# Altium PCB SmartHub Carrier.PcbDoc (part 4 of 5)
Units mm, origin at the board's own origin, x right, y up, seen from the top; angles counter-clockwise.
Board outline 120 x 130 mm, 8 copper layers (Top Layer, Layer 2, Layer 3, Layer 4, Layer 5, Layer 6, Layer 7, Bottom Layer), stack 1.479 mm thick; 460 components, 376 nets, 1826 pads, 565 vias.
Unrouted connection lines stored in the file: 350.
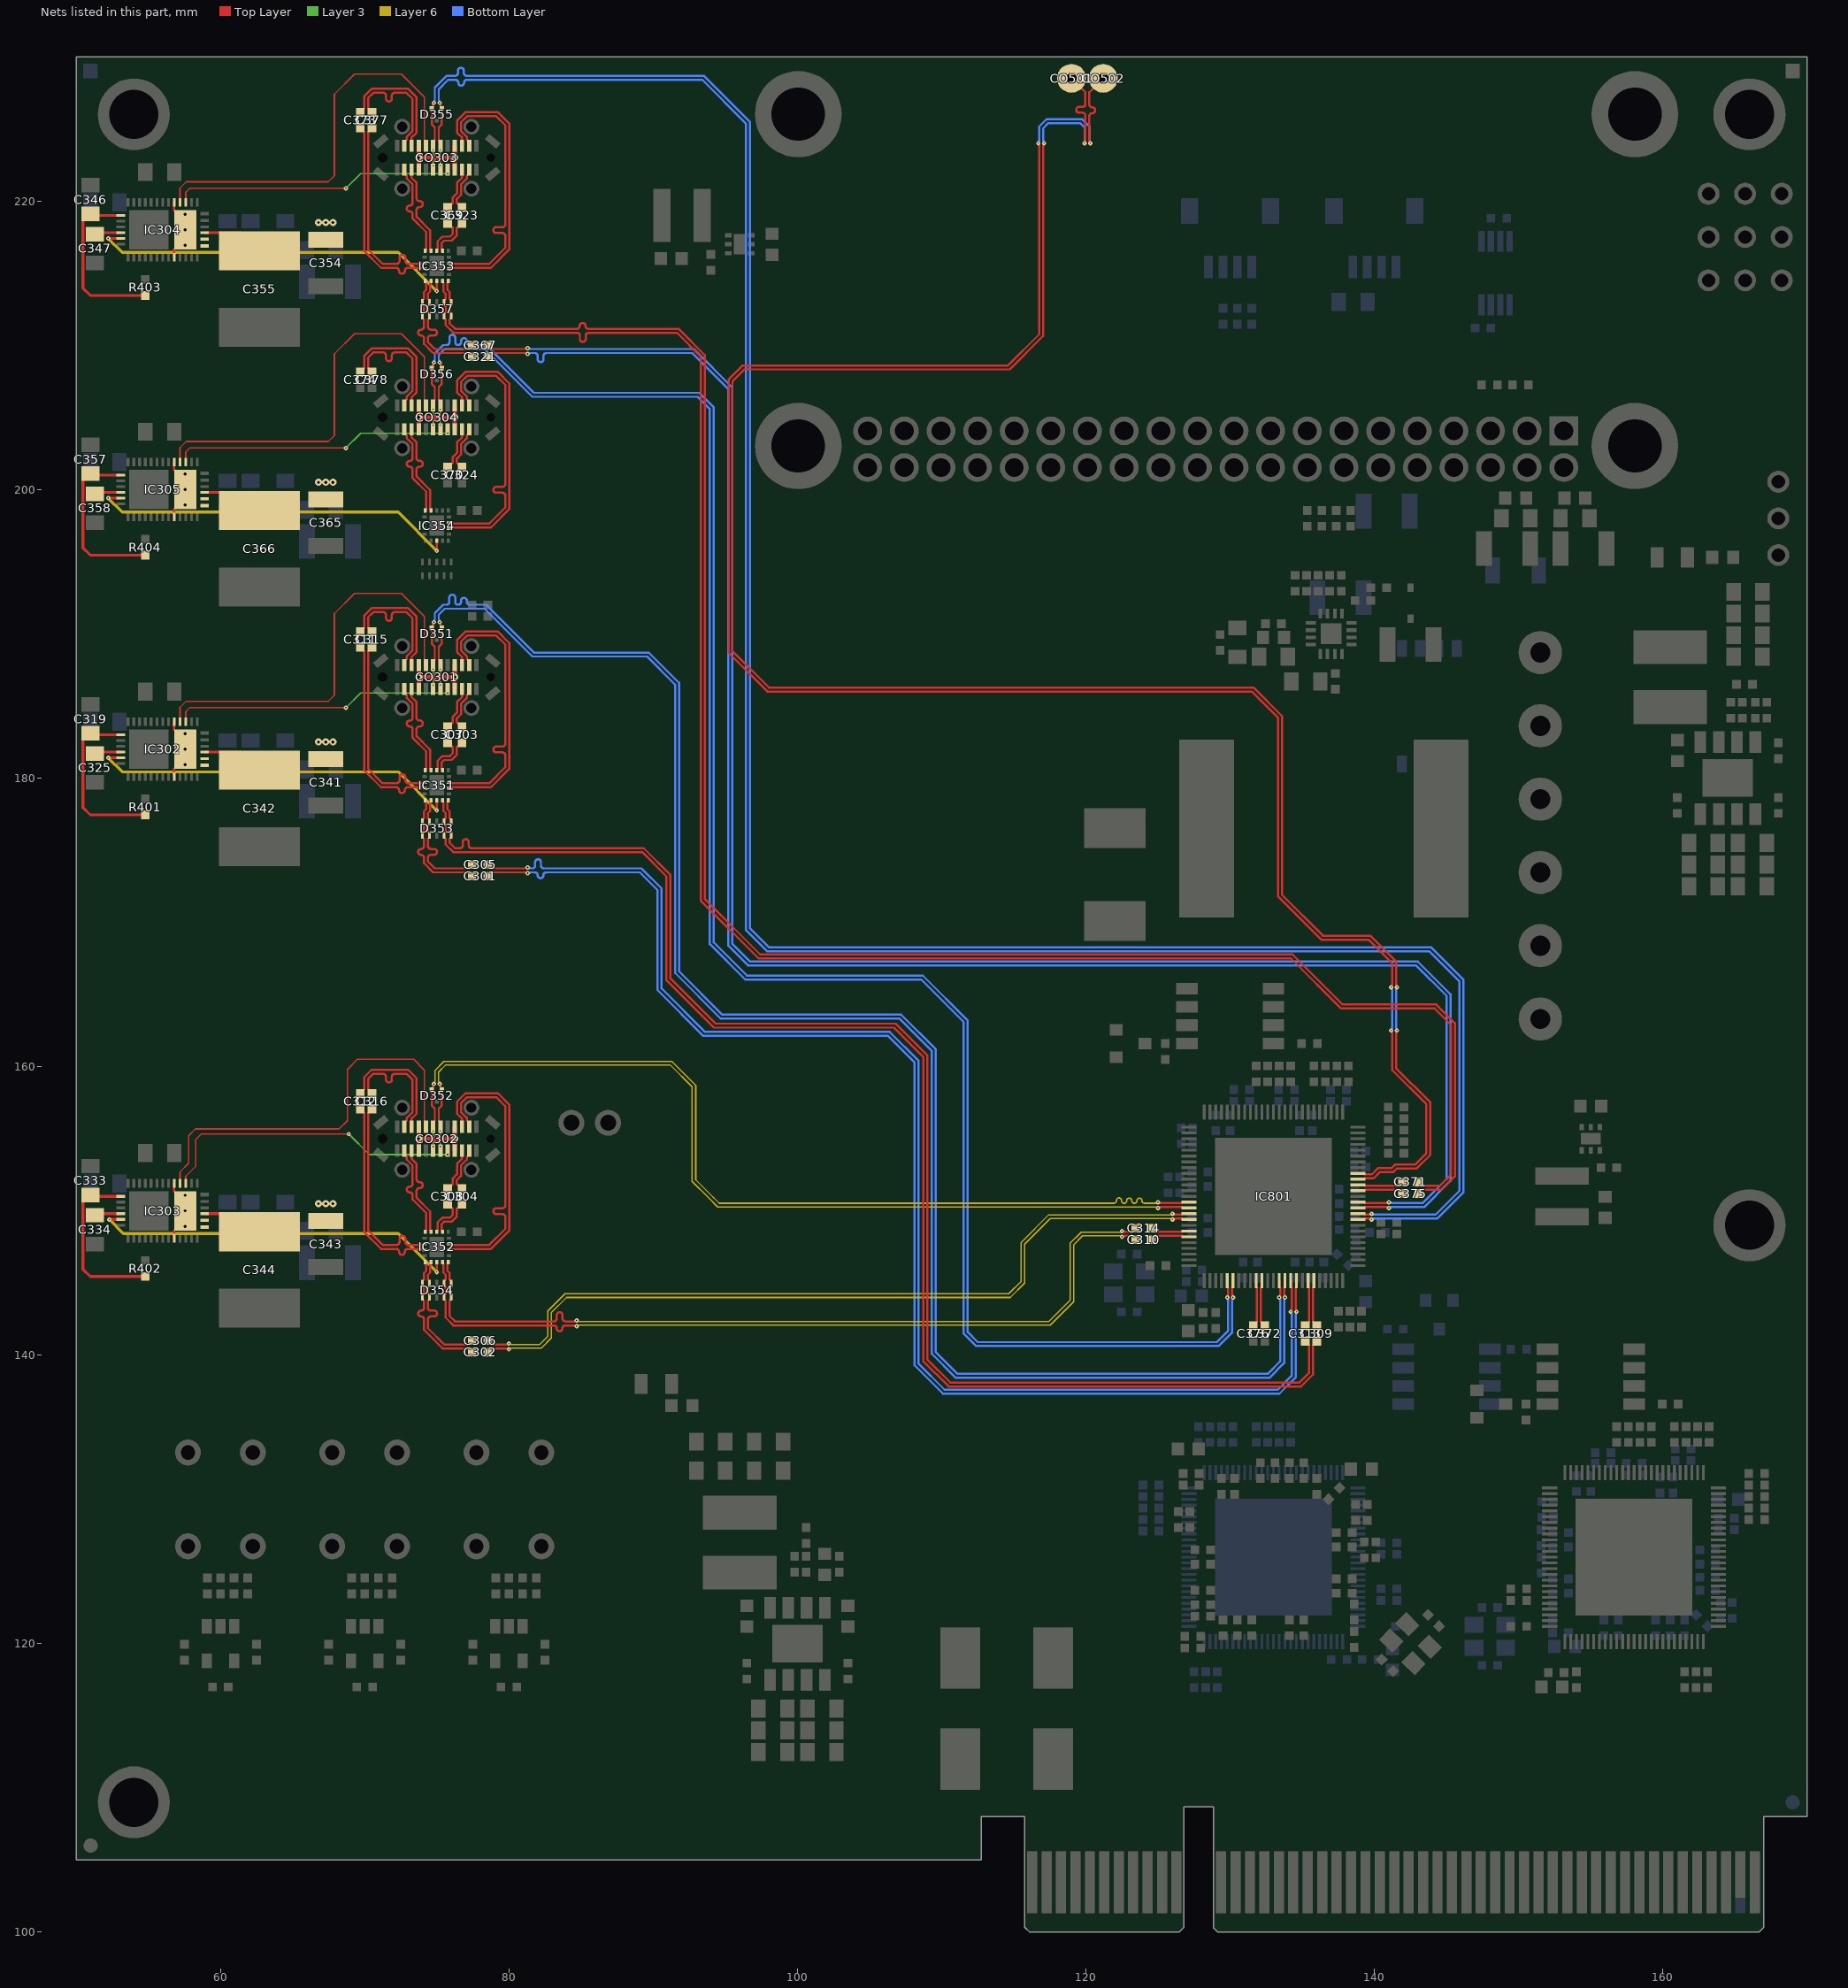
[diagram p10: the nets of this part, all layers, seen from the top]

## Via types
v1: diameter 0.3, hole 0.1, Top Layer to Bottom Layer, 235 vias
v2: diameter 0.5, hole 0.2, Top Layer to Bottom Layer, 115 vias
v3: diameter 0.6, hole 0.33, Top Layer to Bottom Layer, 108 vias
v4: diameter 1, hole 0.3, Top Layer to Bottom Layer, 40 vias
v5: diameter 0.45, hole 0.2, Top Layer to Bottom Layer, 40 vias
v6: diameter 1, hole 0.35, Top Layer to Bottom Layer, 27 vias

## Nets (pads, with @x,y where several pads share a name; then routed paths per layer and width w, separated by ;. In a path a pad name is that pad's centre, name@x,y a point inside that pad or via, vN(x,y) a via of type N, cw(c..) or ccw(c..) an arc to the next point about the centre after c; other vN are vias at no path point) (continued)
USB_Zero_N: CO502.1 IC801.42 | length 148.5
  Top Layer w0.15: v1(116.7,224) 116.729,223.971 116.729,223.871 116.762,223.837 116.762,210.762 114.6,208.6 96.211,208.6 95.225,207.614 95.225,188.686 97.911,186 131.5,186 133.325,184.175 133.325,171.786 136.311,168.8 139.6,168.8 141.225,167.175 141.225,165.663 141.191,165.629 141.191,165.529 v1(141.163,165.5) ; v1(120.3,224) 120.271,224.029 120.271,224.129 120.238,224.163 120.238,225.4 120.238,225.879 cw(c120.44,225.879) 120.44,226.081 ccw(c120.44,226.283) 120.642,226.283 ccw(c120.44,226.283) 120.44,226.485 cw(c120.44,226.687) 120.238,226.687 120.238,227.2 120.238,227.538 CO502.1@121.2,228.5 ; IC801.42@138.85,152.6 139.275,152.6 139.338,152.538 139.838,152.538 140.275,152.975 141.2,152.975 141.425,153.2 142.8,153.2 143.6,154 143.6,157.4 141.225,159.775 141.225,162.337 141.191,162.371 141.191,162.471 v1(141.163,162.5)
  Bottom Layer w0.15: v1(116.7,224) 116.729,224.029 116.729,224.129 116.762,224.163 116.762,225.151 117.286,225.675 119.714,225.675 120.238,225.151 120.238,224.163 120.271,224.129 120.271,224.029 v1(120.3,224) ; v1(141.163,162.5) 141.191,162.529 141.191,162.629 141.225,162.663 141.225,165.337 141.191,165.371 141.191,165.471 v1(141.163,165.5)
USB_Zero_P: CO501.1 IC801.41 | length 148.5
  Top Layer w0.15: v1(117.1,224) 117.071,223.971 117.071,223.871 117.037,223.837 117.037,210.649 114.714,208.325 96.325,208.325 95.5,207.5 95.5,188.8 98.025,186.275 131.614,186.275 133.6,184.289 133.6,171.9 136.425,169.075 139.714,169.075 141.5,167.289 141.5,165.663 141.534,165.629 141.534,165.529 v1(141.563,165.5) ; CO501.1@119,228.5 119.963,227.538 119.963,227.2 119.963,226.721 cw(c119.761,226.721) 119.761,226.519 119.533,226.519 ccw(c119.533,226.317) 119.331,226.317 ccw(c119.533,226.317) 119.533,226.115 119.761,226.115 cw(c119.761,225.913) 119.963,225.913 119.963,225.487 119.963,224.163 119.929,224.129 119.929,224.029 v1(119.9,224) ; IC801.41@138.85,152.2 139.275,152.2 139.338,152.262 139.951,152.262 140.389,152.7 141.314,152.7 141.539,152.925 142.914,152.925 143.875,153.886 143.875,157.514 141.5,159.889 141.5,162.337 141.534,162.371 141.534,162.471 v1(141.563,162.5)
  Bottom Layer w0.15: v1(117.1,224) 117.071,224.029 117.071,224.129 117.037,224.163 117.037,225.038 117.4,225.4 119.6,225.4 119.963,225.038 119.963,224.163 119.929,224.129 119.929,224.029 v1(119.9,224) ; v1(141.563,162.5) 141.534,162.529 141.534,162.629 141.5,162.663 141.5,165.337 141.534,165.371 141.534,165.471 v1(141.563,165.5)
USBF0_5V: C341.1 C342.1 CO301.4 CO301.9 CO301.24 CO301.29 IC302.20 IC302.21 IC302.22 | length 10.1
  Top Layer w0.2: IC302.22@58.9,181.8 61.45,181.8 C342.1@62.7,180.55
  Top Layer w0.3: CO301.9@73.75,186.17 v2(73.75,187) ; CO301.24@73.75,187.83 v2(73.75,187) ; CO301.4@76.25,186.17 v2(76.25,187) ; CO301.29@76.25,187.83 v2(76.25,187) ; v2(73.75,187) v2(76.25,187)
  other v2: 66.8,182.5 67.3,182.5 67.8,182.5
USBF0_CC1: CO301.5 IC302.28 | length 19.4
  Top Layer w0.1: IC302.28@57.6,183.9 57.6,184.6 57.875,184.875 v1(68.7,184.875)
  Layer 3 w0.1: v1(68.7,184.875) 69.725,185.9 v1(75.75,185.9)
USBF0_CC2: CO301.25 IC302.29 | length 28.6
  Top Layer w0.1: IC302.29@57.2,183.9 57.2,184.9 57.625,185.325 67.475,185.325 67.9,185.75 67.9,191.4 69.3,192.8 72.55,192.8 74.15,191.2 74.15,187.93 CO301.25@74.25,187.83
USBF0_DRAIN: IC302.15 IC302.30 IC302.40 | length 2.8
  Top Layer w0.15: IC302.15@56.8,180.1 56.8,180.645 57.08,180.925 v5(57.56,180.925) ; IC302.30@56.8,183.9 56.8,183.355 57.08,183.075 v5(57.56,183.075)
  other v5: 57.56,182
USBF0_LDO_1V5: C325.1 IC302.4 | length 1.8
  Top Layer w0.2: C325.1@51.3,181.7 51.4,181.8 IC302.4@53.1,181.8
USBF0_LDO_3V3: C319.1 IC302.1 R401.1 | length 12.1
  Top Layer w0.2: IC302.1@53.1,183 51.1,183 C319.1@51,183.1 50.875,183.1 50.475,182.7 50.475,177.95 50.975,177.45 R401.1@54.8,177.45
USBF0_N: CO301.7 CO301.27 D351.1 IC801.15 | length 116.1
  Top Layer w0.15: v1(75.2,190.8) 75.2,190.759 75.275,190.684 75.275,190.5 D351.1@75.35,190.425 75.35,189.313 75.138,189.1 75.138,188.392 75.137,188.218 75.25,188.105 CO301.27@75.25,187.83 ; v1(133.8,144) 133.771,144.029 133.771,144.129 133.738,144.163 133.738,144.662 133.8,144.725 IC801.15@133.8,145.15
  Layer 6 w0.1: v1(74.75,186.45) 74.75,186.75 75.25,187.25 v1(75.25,187.55)
  Bottom Layer w0.15: v1(75.2,190.8) 75.171,190.829 75.171,190.929 75.138,190.963 75.138,191.324 75.551,191.738 78.313,191.738 81.625,188.425 89.575,188.425 91.525,186.475 91.525,166.486 94.686,163.325 107.086,163.325 109.325,161.086 109.325,140.086 110.986,138.425 132.714,138.425 133.738,139.449 133.738,140.149 133.738,143.837 133.771,143.871 133.771,143.971 v1(133.8,144)
USBF0_P: CO301.6 CO301.26 D351.2 IC801.14 | length 117.8
  Top Layer w0.15: CO301.26@74.75,187.83 74.75,188.105 74.862,188.218 74.862,188.506 74.862,189.1 74.65,189.313 D351.2@74.65,190.425 74.725,190.5 74.725,190.684 74.8,190.759 v1(74.8,190.8) ; v1(133.4,144) 133.429,144.029 133.429,144.129 133.463,144.163 133.463,144.662 133.4,144.725 IC801.14@133.4,145.15
  Layer 3 w0.1: v1(74.75,187.55) 74.75,187.25 75.25,186.75 v1(75.25,186.45)
  Bottom Layer w0.15: v1(74.8,190.8) 74.829,190.829 74.829,190.929 74.862,190.963 74.862,191.438 75.438,192.013 75.594,192.013 75.669,192.013 ccw(c75.669,192.215) 75.871,192.215 75.871,192.509 cw(c76.073,192.509) 76.073,192.711 cw(c76.073,192.509) 76.275,192.509 76.275,192.215 ccw(c76.477,192.215) 76.477,192.013 ccw(c76.477,192.215) 76.679,192.215 76.679,192.295 cw(c76.881,192.295) 76.881,192.497 cw(c76.881,192.295) 77.083,192.295 77.083,192.215 ccw(c77.285,192.215) 77.285,192.013 77.988,192.013 78.426,192.013 81.739,188.7 89.689,188.7 91.8,186.589 91.8,166.6 94.8,163.6 107.2,163.6 109.6,161.2 109.6,140.2 111.1,138.7 132.6,138.7 133.463,139.562 133.463,143.837 133.429,143.871 133.429,143.971 v1(133.4,144)
USBF0_RX1_N: CO301.30 IC351.2 | length 19.5
  Top Layer w0.15: IC351.2@75.85,179.3 75.9,179.3 75.962,179.363 78.751,179.363 80.025,180.636 80.025,189.364 79.239,190.15 76.986,190.15 76.4,189.564 76.4,188.736 76.753,188.383 76.753,187.833 CO301.30@76.75,187.83
USBF0_RX1_P: CO301.31 IC351.3 | length 19.6
  Top Layer w0.15: IC351.3@75.85,179.7 75.9,179.7 75.962,179.638 78.637,179.638 79.75,180.75 79.75,181.5 79.75,181.575 ccw(c79.548,181.575) 79.548,181.777 79.123,181.777 cw(c79.123,181.979) 78.921,181.979 cw(c79.123,181.979) 79.123,182.181 79.548,182.181 ccw(c79.548,182.383) 79.75,182.383 79.75,182.7 79.75,189.25 79.125,189.875 77.1,189.875 76.675,189.45 76.675,188.85 77.075,188.45 77.075,188.28 77.25,188.105 CO301.31@77.25,187.83
USBF0_RX2_N: CO301.10 IC351.8 | length 6.7
  Top Layer w0.15: CO301.10@73.25,186.17 73.247,186.167 73.247,185.617 73.6,185.264 73.6,184.497 73.6,184.187 ccw(c73.802,184.187) 73.802,183.985 73.83,183.985 cw(c73.83,183.783) 74.032,183.783 cw(c73.83,183.783) 73.83,183.581 73.802,183.581 ccw(c73.802,183.379) 73.6,183.379 73.6,182.9 74.538,181.963 74.538,180.662 74.6,180.6 IC351.8@74.6,180.55
USBF0_RX2_P: CO301.11 IC351.9 | length 6.7
  Top Layer w0.15: CO301.11@72.75,186.17 72.75,185.895 72.925,185.72 72.925,185.55 73.325,185.15 73.325,184.7 73.325,184.183 cw(c73.123,184.183) 73.123,183.981 ccw(c73.123,183.779) 72.921,183.779 ccw(c73.123,183.779) 73.123,183.577 cw(c73.123,183.375) 73.325,183.375 73.325,183.3 73.325,182.786 74.263,181.849 74.263,180.663 74.2,180.6 IC351.9@74.2,180.55
USBF0_RX_N: C309.1 IC801.20 | length 3.2
  Top Layer w0.15: IC801.20@135.8,145.15 135.8,144.725 135.738,144.662 135.738,142.312 C309.1@136,142.05
USBF0_RX_P: C313.1 IC801.19 | length 3.2
  Top Layer w0.15: C313.1@135.2,142.05 135.463,142.312 135.463,144.662 135.4,144.725 IC801.19@135.4,145.15
USBF0_SEL: IC302.5 IC351.16 | length 25.9
  Top Layer w0.127: v1(75,177.75) IC351.16@75,178.45
  Top Layer w0.2: v1(52.225,181.4) IC302.5@53.1,181.4
  Layer 6 w0.2: v1(52.225,181.4) 53.195,180.43 72.32,180.43 v1(75,177.75)
USBF0_TX1_N: C307.2 CO301.3 | length 3.1
  Top Layer w0.15: C307.2@75.75,183.55 75.975,183.775 76.025,183.775 76.112,183.863 76.112,184.253 76.4,184.54 76.4,185.264 76.753,185.617 76.753,186.167 CO301.3@76.75,186.17
USBF0_TX1_P: C303.2 CO301.2 | length 3.2
  Top Layer w0.15: C303.2@76.75,183.55 76.525,183.775 76.475,183.775 76.387,183.863 76.387,184.139 76.675,184.426 76.675,185.15 77.075,185.55 77.075,185.72 77.25,185.895 CO301.2@77.25,186.17
USBF0_TX2_N: C311.2 CO301.23 | length 8.8
  Top Layer w0.15: C311.2@69.7,190.15 69.963,190.412 69.963,191.251 70.486,191.775 73.014,191.775 73.6,191.189 73.6,188.736 73.247,188.383 73.247,187.833 CO301.23@73.25,187.83
USBF0_TX2_P: C315.2 CO301.22 | length 8.8
  Top Layer w0.15: C315.2@70.5,190.15 70.238,190.412 70.238,191.138 70.6,191.5 70.8,191.5 71.279,191.5 cw(c71.279,191.298) 71.481,191.298 71.481,191.101 ccw(c71.683,191.101) 71.683,190.899 ccw(c71.683,191.101) 71.885,191.101 71.885,191.298 cw(c72.087,191.298) 72.087,191.5 72.7,191.5 72.9,191.5 73.325,191.075 73.325,188.85 72.925,188.45 72.925,188.28 72.75,188.105 CO301.22@72.75,187.83
USBF0_TX_N: C301.1 IC801.17 | length 95.2
  Top Layer w0.15: C301.1@78.55,173.2 78.812,173.462 81.137,173.462 81.171,173.429 81.271,173.429 v1(81.3,173.4) ; v1(134.6,143) 134.571,143.029 134.571,143.129 134.538,143.163 134.538,144.662 134.6,144.725 IC801.17@134.6,145.15
  Bottom Layer w0.15: v1(81.3,173.4) 81.308,173.408 81.329,173.429 81.429,173.429 81.463,173.462 81.787,173.462 cw(c81.787,173.26) 81.989,173.26 ccw(c82.191,173.26) 82.191,173.058 ccw(c82.191,173.26) 82.393,173.26 cw(c82.595,173.26) 82.595,173.462 83.085,173.462 89.075,173.462 90.3,172.237 90.3,165.311 93.486,162.125 106.286,162.125 108.125,160.286 108.125,139.286 110.086,137.325 133.414,137.325 134.538,138.449 134.538,142.837 134.571,142.871 134.571,142.971 v1(134.6,143)
USBF0_TX_P: C305.1 IC801.16 | length 95.2
  Top Layer w0.15: C305.1@78.55,174 78.812,173.737 81.137,173.737 81.171,173.771 81.271,173.771 v1(81.3,173.8) ; v1(134.2,143) 134.229,143.029 134.229,143.129 134.263,143.163 134.263,144.662 134.2,144.725 IC801.16@134.2,145.15
  Bottom Layer w0.15: v1(81.3,173.8) 81.329,173.771 81.429,173.771 81.463,173.737 81.541,173.737 81.616,173.737 ccw(c81.616,173.939) 81.818,173.939 81.818,174.168 cw(c82.02,174.168) 82.02,174.37 cw(c82.02,174.168) 82.222,174.168 82.222,173.939 ccw(c82.424,173.939) 82.424,173.737 82.884,173.737 89.188,173.737 90.575,172.351 90.575,165.425 93.6,162.4 106.4,162.4 108.4,160.4 108.4,139.4 110.2,137.6 133.3,137.6 134.263,138.563 134.263,142.837 134.229,142.871 134.229,142.971 v1(134.2,143)
USBF0_XRX_N: C309.2 D353.2 D353.9 IC351.17 | length 98.3
  Top Layer w0.15: IC351.17@75.4,178.45 75.4,178.4 75.463,178.337 75.463,177.723 75.613,177.573 75.613,177.225 75.5,177.113 75.5,176.838 75.613,176.725 75.613,176.275 75.5,176.163 D353.9@75.5,176.025 75.5,175.887 75.612,175.775 75.612,175.399 76.149,174.862 89.238,174.862 90.925,173.175 90.925,165.986 94.211,162.7 106.7,162.7 108.725,160.675 108.725,139.586 110.486,137.825 134.914,137.825 135.738,138.649 135.738,140.688 C309.2@136,140.95
USBF0_XRX_P: C313.2 D353.1 D353.10 IC351.18 | length 98.3
  Top Layer w0.15: IC351.18@75.8,178.45 75.8,178.4 75.738,178.337 75.738,177.837 75.888,177.687 75.888,177.225 76,177.113 D353.1@76,176.975 76,176.838 75.888,176.725 75.888,176.275 76,176.163 D353.10@76,176.025 76,175.887 75.887,175.775 75.887,175.512 76.262,175.137 76.3,175.137 76.607,175.137 ccw(c76.607,175.339) 76.809,175.339 76.809,175.565 cw(c77.011,175.565) 77.011,175.767 cw(c77.011,175.565) 77.213,175.565 77.213,175.339 ccw(c77.415,175.339) 77.415,175.137 77.894,175.137 89.351,175.137 91.2,173.289 91.2,166.1 94.325,162.975 106.814,162.975 109,160.789 109,139.7 110.6,138.1 134.8,138.1 135.463,138.763 135.463,140.687 C313.2@135.2,140.95
USBF0_XTX1_N: C307.1 IC351.7 | length 2.8
  Top Layer w0.15: IC351.7@75,180.55 75,180.6 75.062,180.662 75.062,181.201 75.386,181.525 75.912,181.525 76.112,181.725 76.112,182.137 76.025,182.225 75.975,182.225 C307.1@75.75,182.45
USBF0_XTX1_P: C303.1 IC351.6 | length 2.8
  Top Layer w0.15: IC351.6@75.4,180.55 75.4,180.6 75.337,180.662 75.337,181.087 75.5,181.25 76.026,181.25 76.387,181.611 76.387,182.137 76.475,182.225 76.525,182.225 C303.1@76.75,182.45
USBF0_XTX2_N: C311.1 IC351.12 | length 13.8
  Top Layer w0.15: C311.1@69.7,189.05 69.962,188.788 69.962,180.538 71.138,179.363 71.7,179.363 72.179,179.363 cw(c72.179,179.161) 72.381,179.161 ccw(c72.583,179.16) 72.583,178.958 ccw(c72.583,179.16) 72.785,179.16 cw(c72.987,179.161) 72.987,179.363 73.5,179.363 74.037,179.363 74.1,179.3 IC351.12@74.15,179.3
USBF0_XTX2_P: C315.1 IC351.11 | length 13.8
  Top Layer w0.15: C315.1@70.5,189.05 70.237,188.787 70.237,180.651 71.251,179.638 71.9,179.638 72.213,179.638 ccw(c72.213,179.84) 72.415,179.84 72.415,180.067 cw(c72.617,180.067) 72.617,180.269 cw(c72.617,180.067) 72.819,180.067 72.819,179.84 ccw(c73.021,179.84) 73.021,179.638 73.5,179.638 74.038,179.638 74.1,179.7 IC351.11@74.15,179.7
USBF0_XTX_N: C301.2 D353.5 D353.6 IC351.14 | length 8.8
  Top Layer w0.15: IC351.14@74.2,178.45 74.2,178.4 74.262,178.337 74.262,177.837 74.112,177.687 74.112,177.225 74,177.113 74,176.838 74.112,176.725 74.112,176.275 74,176.163 D353.6@74,176.025 74,175.887 74.112,175.775 74.112,175.6 74.112,175.283 cw(c73.91,175.283) 73.91,175.081 ccw(c73.91,174.879) 73.708,174.879 ccw(c73.91,174.879) 73.91,174.677 cw(c73.91,174.475) 74.112,174.475 74.112,174.4 74.112,174.099 74.749,173.462 77.188,173.462 C301.2@77.45,173.2
USBF0_XTX_P: C305.2 D353.4 D353.7 IC351.15 | length 8.8
  Top Layer w0.15: IC351.15@74.6,178.45 74.6,178.4 74.537,178.337 74.537,177.723 74.387,177.573 74.387,177.225 74.5,177.113 74.5,176.838 74.387,176.725 74.387,176.275 74.5,176.163 D353.7@74.5,176.025 74.5,175.887 74.387,175.775 74.387,175.6 74.387,175.286 ccw(c74.589,175.286) 74.589,175.084 74.817,175.084 cw(c74.817,174.882) 75.019,174.882 cw(c74.817,174.882) 74.817,174.68 74.589,174.68 ccw(c74.589,174.478) 74.387,174.478 74.387,174.213 74.5,174.1 74.863,173.737 77.188,173.737 C305.2@77.45,174
USBF1_5V: C343.1 C344.1 CO302.4 CO302.9 CO302.24 CO302.29 IC303.20 IC303.21 IC303.22 | length 10.1
  Top Layer w0.2: IC303.22@58.9,149.8 61.45,149.8 C344.1@62.7,148.55
  Top Layer w0.3: CO302.9@73.75,154.17 v2(73.75,155) ; CO302.24@73.75,155.83 v2(73.75,155) ; CO302.4@76.25,154.17 v2(76.25,155) ; CO302.29@76.25,155.83 v2(76.25,155) ; v2(73.75,155) v2(76.25,155)
  other v2: 66.8,150.5 67.3,150.5 67.8,150.5
USBF1_CC1: CO302.5 IC303.28 | length 21.5
  Top Layer w0.1: IC303.28@57.6,151.9 57.6,152.4 58.3,153.1 58.3,154.95 58.675,155.325 v1(68.9,155.325)
  Layer 3 w0.1: v1(68.9,155.325) 70.325,153.9 v1(75.75,153.9)
USBF1_CC2: CO302.25 IC303.29 | length 28.4
  Top Layer w0.1: IC303.29@57.2,151.9 57.2,152.7 57.8,153.3 57.8,155.2 58.275,155.675 68.225,155.675 68.8,156.25 68.8,159.8 69.5,160.5 73.4,160.5 74.15,159.75 74.15,155.93 CO302.25@74.25,155.83
USBF1_DRAIN: IC303.15 IC303.30 IC303.40 | length 2.8
  Top Layer w0.15: IC303.15@56.8,148.1 56.8,148.645 57.08,148.925 v5(57.56,148.925) ; IC303.30@56.8,151.9 56.8,151.355 57.08,151.075 v5(57.56,151.075)
  other v5: 57.56,150
USBF1_LDO_1V5: C334.1 IC303.4 | length 1.8
  Top Layer w0.2: C334.1@51.3,149.7 51.4,149.8 IC303.4@53.1,149.8
USBF1_LDO_3V3: C333.1 IC303.1 R402.1 | length 12.1
  Top Layer w0.2: IC303.1@53.1,151 51.1,151 C333.1@51,151.1 50.875,151.1 50.475,150.7 50.475,145.95 50.975,145.45 R402.1@54.8,145.45
USBF1_N: CO302.7 CO302.27 D352.1 IC801.90 | length 65.5
  Top Layer w0.15: v1(75.2,158.8) 75.2,158.759 75.275,158.684 75.275,158.5 D352.1@75.35,158.425 75.35,157.312 75.138,157.1 75.138,156.392 75.137,156.217 75.25,156.105 CO302.27@75.25,155.83 ; v1(125,150.2) 125.029,150.229 125.129,150.229 125.163,150.262 126.663,150.262 126.725,150.2 IC801.90@127.15,150.2
  Layer 6 w0.1: v1(74.75,154.45) 74.75,154.75 75.25,155.25 v1(75.25,155.55) ; v1(75.2,158.8) 75.2,158.854 75.125,158.929 75.125,159.625 75.6,160.1 91.2,160.1 92.7,158.6 92.7,152.046 93.823,150.923 94.471,150.275 124.871,150.275 124.946,150.2 v1(125,150.2)
USBF1_P: CO302.6 CO302.26 D352.2 IC801.89 | length 67.2
  Top Layer w0.15: CO302.26@74.75,155.83 74.75,156.105 74.862,156.217 74.862,156.506 74.862,157.1 74.65,157.312 D352.2@74.65,158.425 74.725,158.5 74.725,158.684 74.8,158.759 v1(74.8,158.8) ; v1(125,150.6) 125.029,150.571 125.129,150.571 125.163,150.537 126.663,150.537 126.725,150.6 IC801.89@127.15,150.6
  Layer 3 w0.1: v1(74.75,155.55) 74.75,155.25 75.25,154.75 v1(75.25,154.45)
  Layer 6 w0.1: v1(74.8,158.8) 74.8,158.854 74.875,158.929 74.875,159.729 75.496,160.35 91.304,160.35 92.95,158.704 92.95,152.15 94.177,150.923 94.575,150.525 121.89,150.525 121.94,150.525 ccw(c121.94,150.702) 122.117,150.702 122.117,150.725 cw(c122.294,150.725) 122.471,150.725 122.471,150.702 ccw(c122.648,150.702) 122.825,150.702 cw(c123.002,150.702) 123.179,150.702 ccw(c123.356,150.702) 123.533,150.702 cw(c123.71,150.702) 123.887,150.702 ccw(c124.064,150.702) 124.064,150.525 124.3,150.525 124.871,150.525 124.946,150.6 v1(125,150.6)
USBF1_RX1_N: CO302.30 IC352.2 | length 19.5
  Top Layer w0.15: IC352.2@75.85,147.3 75.9,147.3 75.962,147.363 78.751,147.363 80.025,148.636 80.025,157.364 79.239,158.15 76.986,158.15 76.4,157.564 76.4,156.736 76.753,156.383 76.753,155.833 CO302.30@76.75,155.83
USBF1_RX1_P: CO302.31 IC352.3 | length 19.6
  Top Layer w0.15: IC352.3@75.85,147.7 75.9,147.7 75.962,147.638 78.637,147.638 79.75,148.75 79.75,149.5 79.75,149.575 ccw(c79.548,149.575) 79.548,149.777 79.123,149.777 cw(c79.123,149.979) 78.921,149.979 cw(c79.123,149.979) 79.123,150.181 79.548,150.181 ccw(c79.548,150.383) 79.75,150.383 79.75,150.7 79.75,157.25 79.125,157.875 77.1,157.875 76.675,157.45 76.675,156.85 77.075,156.45 77.075,156.28 77.25,156.105 CO302.31@77.25,155.83
USBF1_RX2_N: CO302.10 IC352.8 | length 6.7
  Top Layer w0.15: CO302.10@73.25,154.17 73.247,154.167 73.247,153.617 73.6,153.264 73.6,153.1 73.6,152.187 ccw(c73.802,152.187) 73.802,151.985 73.83,151.985 cw(c73.83,151.783) 74.032,151.783 cw(c73.83,151.783) 73.83,151.581 73.802,151.581 ccw(c73.802,151.379) 73.6,151.379 73.6,150.9 74.538,149.963 74.538,148.662 74.6,148.6 IC352.8@74.6,148.55
USBF1_RX2_P: CO302.11 IC352.9 | length 6.7
  Top Layer w0.15: CO302.11@72.75,154.17 72.75,153.895 72.925,153.72 72.925,153.55 73.325,153.15 73.325,153 73.325,151.883 cw(c73.123,151.883) 73.123,151.681 ccw(c73.123,151.479) 72.921,151.479 ccw(c73.123,151.479) 73.123,151.277 cw(c73.123,151.075) 73.325,151.075 73.325,151 73.325,150.786 74.263,149.849 74.263,148.663 74.2,148.6 IC352.9@74.2,148.55
USBF1_RX_N: C310.1 IC801.95 | length 2.7
  Top Layer w0.15: C310.1@124.55,148 124.812,148.262 125.826,148.262 126.663,148.263 126.725,148.2 IC801.95@127.15,148.2
USBF1_RX_P: C314.1 IC801.94 | length 2.7
  Top Layer w0.15: C314.1@124.55,148.8 124.812,148.537 125.712,148.537 126.663,148.538 126.725,148.6 IC801.94@127.15,148.6
USBF1_SEL: IC303.5 IC352.16 | length 25.7
  Top Layer w0.127: v1(75,145.75) IC352.16@75,146.45
  Top Layer w0.2: v1(52.3,149.4) IC303.5@53.1,149.4
  Layer 6 w0.2: v1(52.3,149.4) 53.27,148.43 72.32,148.43 v1(75,145.75)
USBF1_TX1_N: C308.2 CO302.3 | length 3.1
  Top Layer w0.15: C308.2@75.75,151.55 75.975,151.775 76.025,151.775 76.112,151.863 76.112,152.253 76.4,152.54 76.4,153.264 76.753,153.617 76.753,154.167 CO302.3@76.75,154.17
USBF1_TX1_P: C304.2 CO302.2 | length 3.2
  Top Layer w0.15: C304.2@76.75,151.55 76.525,151.775 76.475,151.775 76.387,151.863 76.387,152.139 76.675,152.426 76.675,153.15 77.075,153.55 77.075,153.72 77.25,153.895 CO302.2@77.25,154.17
USBF1_TX2_N: C312.2 CO302.23 | length 8.8
  Top Layer w0.15: C312.2@69.7,158.15 69.963,158.413 69.963,159.251 70.486,159.775 73.014,159.775 73.6,159.189 73.6,156.736 73.247,156.383 73.247,155.833 CO302.23@73.25,155.83
USBF1_TX2_P: C316.2 CO302.22 | length 8.8
  Top Layer w0.15: C316.2@70.5,158.15 70.238,158.412 70.238,159.138 70.6,159.5 70.8,159.5 71.279,159.5 cw(c71.279,159.298) 71.481,159.298 71.481,159.101 ccw(c71.683,159.101) 71.683,158.899 ccw(c71.683,159.101) 71.885,159.101 71.885,159.298 cw(c72.087,159.298) 72.087,159.5 72.7,159.5 72.9,159.5 73.325,159.075 73.325,156.85 72.925,156.45 72.925,156.28 72.75,156.105 CO302.22@72.75,155.83
USBF1_TX_N: C302.1 IC801.92 | length 55.2
  Top Layer w0.15: C302.1@78.55,140.2 78.812,140.462 79.251,140.462 79.837,140.463 79.871,140.429 79.971,140.429 v1(80,140.4) ; v1(126,149.4) 126.029,149.429 126.129,149.429 126.163,149.462 126.663,149.462 126.725,149.4 IC801.92@127.15,149.4
  Layer 6 w0.1: v1(80,140.4) 80.054,140.4 80.129,140.475 82.229,140.475 82.95,141.196 82.95,142.95 84,144 114.754,144 115.75,144.996 115.75,147.696 117.529,149.475 125.871,149.475 125.946,149.4 v1(126,149.4)
USBF1_TX_P: C306.1 IC801.91 | length 55.2
  Top Layer w0.15: C306.1@78.55,141 78.812,140.737 79.137,140.737 79.837,140.738 79.871,140.771 79.971,140.771 v1(80,140.8) ; v1(126,149.8) 126.029,149.771 126.129,149.771 126.163,149.737 126.662,149.737 126.725,149.8 IC801.91@127.15,149.8
  Layer 6 w0.1: v1(80,140.8) 80.054,140.8 80.129,140.725 82.125,140.725 82.7,141.3 82.7,143.054 83.896,144.25 114.65,144.25 115.5,145.1 115.5,147.8 117.425,149.725 125.871,149.725 125.946,149.8 v1(126,149.8)
USBF1_XRX_N: C310.2 D354.2 D354.9 IC352.17 | length 57.8
  Top Layer w0.15: IC352.17@75.4,146.45 75.4,146.4 75.463,146.337 75.463,145.723 75.613,145.573 75.613,145.225 75.5,145.113 75.5,144.838 75.613,144.725 75.613,144.275 75.5,144.163 D354.9@75.5,144.025 75.5,143.887 75.612,143.775 75.612,142.599 76.149,142.062 82.5,142.062 83.108,142.062 cw(c83.108,141.861) 83.31,141.861 ccw(c83.512,141.86) 83.512,141.658 ccw(c83.512,141.86) 83.714,141.86 cw(c83.916,141.861) 83.916,142.062 83.991,142.062 84.537,142.062 84.571,142.029 84.671,142.029 v1(84.7,142) ; v1(122.5,148.2) 122.529,148.229 122.629,148.229 122.663,148.263 123.187,148.263 C310.2@123.45,148
  Layer 6 w0.1: v1(84.7,142) 84.754,142 84.829,142.075 117.529,142.075 119.15,143.696 119.15,147.65 119.775,148.275 122.371,148.275 122.446,148.2 v1(122.5,148.2)
USBF1_XRX_P: C314.2 D354.1 D354.10 IC352.18 | length 57.8
  Top Layer w0.15: IC352.18@75.8,146.45 75.8,146.4 75.738,146.338 75.738,145.837 75.888,145.687 75.888,145.225 76,145.113 D354.1@76,144.975 76,144.838 75.888,144.725 75.888,144.275 76,144.163 D354.10@76,144.025 76,143.887 75.887,143.775 75.887,142.713 76.262,142.338 82.7,142.338 83.113,142.338 ccw(c83.113,142.539) 83.315,142.539 83.315,142.767 cw(c83.517,142.767) 83.517,142.969 cw(c83.517,142.767) 83.719,142.767 83.719,142.539 ccw(c83.921,142.539) 83.921,142.338 84.4,142.338 84.537,142.338 84.571,142.371 84.671,142.371 v1(84.7,142.4) ; v1(122.5,148.6) 122.529,148.571 122.629,148.571 122.663,148.538 123.187,148.538 C314.2@123.45,148.8
  Layer 6 w0.1: v1(84.7,142.4) 84.754,142.4 84.829,142.325 117.425,142.325 118.9,143.8 118.9,147.754 119.671,148.525 122.371,148.525 122.446,148.6 v1(122.5,148.6)
USBF1_XTX1_N: C308.1 IC352.7 | length 2.8
  Top Layer w0.15: IC352.7@75,148.55 75,148.6 75.062,148.662 75.062,149.201 75.386,149.525 75.912,149.525 76.112,149.725 76.112,150.137 76.025,150.225 75.975,150.225 C308.1@75.75,150.45
USBF1_XTX1_P: C304.1 IC352.6 | length 2.8
  Top Layer w0.15: IC352.6@75.4,148.55 75.4,148.6 75.337,148.662 75.337,149.087 75.5,149.25 76.026,149.25 76.387,149.611 76.387,150.137 76.475,150.225 76.525,150.225 C304.1@76.75,150.45
USBF1_XTX2_N: C312.1 IC352.12 | length 13.8
  Top Layer w0.15: C312.1@69.7,157.05 69.962,156.788 69.962,148.538 71.138,147.363 71.7,147.363 72.179,147.363 cw(c72.179,147.161) 72.381,147.161 ccw(c72.583,147.16) 72.583,146.958 ccw(c72.583,147.16) 72.785,147.16 cw(c72.987,147.161) 72.987,147.363 73.5,147.363 74.037,147.363 74.1,147.3 IC352.12@74.15,147.3
USBF1_XTX2_P: C316.1 IC352.11 | length 13.8
  Top Layer w0.15: C316.1@70.5,157.05 70.237,156.787 70.237,148.651 71.251,147.638 71.9,147.638 72.213,147.638 ccw(c72.213,147.84) 72.415,147.84 72.415,148.067 cw(c72.617,148.067) 72.617,148.269 cw(c72.617,148.067) 72.819,148.067 72.819,147.84 ccw(c73.021,147.84) 73.021,147.638 73.5,147.638 74.038,147.638 74.1,147.7 IC352.11@74.15,147.7
USBF1_XTX_N: C302.2 D354.5 D354.6 IC352.14 | length 9.4
  Top Layer w0.15: IC352.14@74.2,146.45 74.2,146.4 74.262,146.338 74.262,145.837 74.112,145.687 74.112,145.225 74,145.113 D354.5@74,144.975 74,144.838 74.112,144.725 74.112,144.275 74,144.163 D354.6@74,144.025 74,143.887 74.112,143.775 74.112,143.6 74.112,143.283 cw(c73.91,143.283) 73.91,143.081 ccw(c73.91,142.879) 73.708,142.879 ccw(c73.91,142.879) 73.91,142.677 cw(c73.91,142.475) 74.112,142.475 74.112,142.4 74.112,141.749 75.399,140.462 77.188,140.462 C302.2@77.45,140.2
USBF1_XTX_P: C306.2 D354.4 D354.7 IC352.15 | length 9.4
  Top Layer w0.15: IC352.15@74.6,146.45 74.6,146.4 74.537,146.337 74.537,145.723 74.387,145.573 74.387,145.225 74.5,145.113 D354.4@74.5,144.975 74.5,144.838 74.387,144.725 74.387,144.275 74.5,144.163 D354.7@74.5,144.025 74.5,143.887 74.387,143.775 74.387,143.6 74.387,143.287 ccw(c74.589,143.287) 74.589,143.085 74.817,143.085 cw(c74.817,142.883) 75.019,142.883 cw(c74.817,142.883) 74.817,142.681 74.589,142.681 ccw(c74.589,142.479) 74.387,142.479 74.387,142 74.387,141.863 75.513,140.737 77.187,140.737 C306.2@77.45,141
USBF2_5V: C354.1 C355.1 CO303.4 CO303.9 CO303.24 CO303.29 IC304.20 IC304.21 IC304.22 | length 10.1
  Top Layer w0.2: IC304.22@58.9,217.8 61.45,217.8 C355.1@62.7,216.55
  Top Layer w0.3: CO303.9@73.75,222.17 v2(73.75,223) ; CO303.24@73.75,223.83 v2(73.75,223) ; CO303.4@76.25,222.17 v2(76.25,223) ; CO303.29@76.25,223.83 v2(76.25,223) ; v2(73.75,223) v2(76.25,223)
  other v2: 66.8,218.5 67.3,218.5 67.8,218.5
USBF2_CC1: CO303.5 IC304.28 | length 19.4
  Top Layer w0.1: IC304.28@57.6,219.9 57.6,220.6 57.875,220.875 v1(68.7,220.875)
  Layer 3 w0.1: v1(68.7,220.875) 69.725,221.9 v1(75.75,221.9)
USBF2_CC2: CO303.25 IC304.29 | length 28.6
  Top Layer w0.1: IC304.29@57.2,219.9 57.2,220.9 57.625,221.325 67.475,221.325 67.9,221.75 67.9,227.4 69.3,228.8 72.55,228.8 74.15,227.2 74.15,223.93 CO303.25@74.25,223.83
USBF2_DRAIN: IC304.15 IC304.30 IC304.40 | length 2.8
  Top Layer w0.15: IC304.15@56.8,216.1 56.8,216.645 57.08,216.925 v5(57.56,216.925) ; IC304.30@56.8,219.9 56.8,219.355 57.08,219.075 v5(57.56,219.075)
  other v5: 57.56,218
USBF2_LDO_1V5: C347.1 IC304.4 | length 1.8
  Top Layer w0.2: C347.1@51.3,217.7 51.4,217.8 IC304.4@53.1,217.8
USBF2_LDO_3V3: C346.1 IC304.1 R403.1 | length 12.1
  Top Layer w0.2: IC304.1@53.1,219 51.1,219 C346.1@51,219.1 50.875,219.1 50.475,218.7 50.475,213.95 50.975,213.45 R403.1@54.8,213.45
USBF2_N: CO303.7 CO303.27 D355.1 IC801.35 | length 157.9
  Top Layer w0.15: v1(75.2,226.8) 75.2,226.759 75.275,226.684 75.275,226.5 D355.1@75.35,226.425 75.35,225.313 75.138,225.1 75.138,224.392 75.137,224.217 75.25,224.105 CO303.27@75.25,223.83 ; IC801.35@138.85,149.8 139.275,149.8 139.338,149.738 139.637,149.738 139.671,149.771 139.771,149.771 v1(139.8,149.8)
  Layer 6 w0.1: v1(74.75,222.45) 74.75,222.75 75.25,223.25 v1(75.25,223.55)
  Bottom Layer w0.15: v1(75.2,226.8) 75.171,226.829 75.171,226.929 75.138,226.963 75.138,227.737 75.8,228.4 75.809,228.4 76.288,228.4 cw(c76.288,228.198) 76.49,228.198 ccw(c76.692,228.198) 76.692,227.996 ccw(c76.692,228.198) 76.894,228.198 cw(c77.096,228.198) 77.096,228.4 77.402,228.4 93.4,228.4 96.425,225.375 96.425,169.475 97.9,168 143.8,168 145.9,165.9 145.9,151.4 144.238,149.738 139.963,149.738 139.929,149.771 139.829,149.771 v1(139.8,149.8)
USBF2_P: CO303.6 CO303.26 D355.2 IC801.34 | length 159.6
  Top Layer w0.15: CO303.26@74.75,223.83 74.75,224.105 74.862,224.217 74.862,224.506 74.862,225.1 74.65,225.313 D355.2@74.65,226.425 74.725,226.5 74.725,226.684 74.8,226.759 v1(74.8,226.8) ; IC801.34@138.85,149.4 139.275,149.4 139.338,149.463 139.637,149.463 139.671,149.429 139.771,149.429 v1(139.8,149.4)
  Layer 3 w0.1: v1(74.75,223.55) 74.75,223.25 75.25,222.75 v1(75.25,222.45)
  Bottom Layer w0.15: v1(74.8,226.8) 74.829,226.829 74.829,226.929 74.862,226.963 74.862,227.851 75.686,228.675 76.194,228.675 76.269,228.675 ccw(c76.269,228.877) 76.471,228.877 76.471,229.03 cw(c76.673,229.03) 76.673,229.232 cw(c76.673,229.03) 76.875,229.03 76.875,228.877 ccw(c77.077,228.877) 77.077,228.675 77.412,228.675 93.514,228.675 96.7,225.489 96.7,169.589 98.014,168.275 143.914,168.275 146.175,166.014 146.175,151.286 144.351,149.463 139.963,149.463 139.929,149.429 139.829,149.429 v1(139.8,149.4)
USBF2_RX1_N: CO303.30 IC353.2 | length 19.5
  Top Layer w0.15: IC353.2@75.85,215.3 75.9,215.3 75.962,215.362 78.751,215.362 80.025,216.636 80.025,225.364 79.239,226.15 76.986,226.15 76.4,225.564 76.4,224.736 76.753,224.383 76.753,223.833 CO303.30@76.75,223.83
USBF2_RX1_P: CO303.31 IC353.3 | length 19.6
  Top Layer w0.15: IC353.3@75.85,215.7 75.9,215.7 75.962,215.637 78.637,215.637 79.75,216.75 79.75,217.5 79.75,217.575 ccw(c79.548,217.575) 79.548,217.777 79.123,217.777 cw(c79.123,217.979) 78.921,217.979 cw(c79.123,217.979) 79.123,218.181 79.548,218.181 ccw(c79.548,218.383) 79.75,218.383 79.75,218.7 79.75,225.25 79.125,225.875 77.1,225.875 76.675,225.45 76.675,224.85 77.075,224.45 77.075,224.28 77.25,224.105 CO303.31@77.25,223.83
USBF2_RX2_N: CO303.10 IC353.8 | length 6.7
  Top Layer w0.15: CO303.10@73.25,222.17 73.247,222.167 73.247,221.617 73.6,221.264 73.6,221.1 73.6,220.187 ccw(c73.802,220.187) 73.802,219.985 73.83,219.985 cw(c73.83,219.783) 74.032,219.783 cw(c73.83,219.783) 73.83,219.581 73.802,219.581 ccw(c73.802,219.379) 73.6,219.379 73.6,218.9 74.538,217.963 74.538,216.662 74.6,216.6 IC353.8@74.6,216.55
USBF2_RX2_P: CO303.11 IC353.9 | length 6.7
  Top Layer w0.15: CO303.11@72.75,222.17 72.75,221.895 72.925,221.72 72.925,221.55 73.325,221.15 73.325,220.294 73.325,219.88 cw(c73.123,219.88) 73.123,219.678 ccw(c73.123,219.476) 72.921,219.476 ccw(c73.123,219.476) 73.123,219.274 cw(c73.123,219.072) 73.325,219.072 73.325,218.997 73.325,218.786 74.263,217.849 74.263,216.662 74.2,216.6 IC353.9@74.2,216.55
USBF2_RX_N: C371.1 IC801.40 | length 3.2
  Top Layer w0.15: IC801.40@138.85,151.8 139.275,151.8 139.338,151.737 141.688,151.737 C371.1@141.95,152
USBF2_RX_P: C375.1 IC801.39 | length 3.2
  Top Layer w0.15: IC801.39@138.85,151.4 139.275,151.4 139.338,151.462 141.688,151.462 C375.1@141.95,151.2
USBF2_SEL: IC304.5 IC353.16 | length 25.9
  Top Layer w0.127: v1(75,213.75) IC353.16@75,214.45
  Top Layer w0.2: v1(52.225,217.4) IC304.5@53.1,217.4
  Layer 6 w0.2: v1(52.225,217.4) 53.195,216.43 72.32,216.43 v1(75,213.75)
USBF2_TX1_N: C369.2 CO303.3 | length 3.1
  Top Layer w0.15: C369.2@75.75,219.55 75.975,219.775 76.025,219.775 76.112,219.863 76.112,220.253 76.4,220.54 76.4,221.264 76.753,221.617 76.753,222.167 CO303.3@76.75,222.17
USBF2_TX1_P: C323.2 CO303.2 | length 3.2
  Top Layer w0.15: C323.2@76.75,219.55 76.525,219.775 76.475,219.775 76.387,219.863 76.387,220.139 76.675,220.426 76.675,221.15 77.075,221.55 77.075,221.72 77.25,221.895 CO303.2@77.25,222.17
USBF2_TX2_N: C373.2 CO303.23 | length 8.8
  Top Layer w0.15: C373.2@69.7,226.15 69.963,226.412 69.963,227.251 70.486,227.775 73.014,227.775 73.6,227.189 73.6,224.736 73.247,224.383 73.247,223.833 CO303.23@73.25,223.83
USBF2_TX2_P: C377.2 CO303.22 | length 8.8
  Top Layer w0.15: C377.2@70.5,226.15 70.238,226.412 70.238,227.137 70.6,227.5 70.8,227.5 71.279,227.5 cw(c71.279,227.298) 71.481,227.298 71.481,227.101 ccw(c71.683,227.101) 71.683,226.899 ccw(c71.683,227.101) 71.885,227.101 71.885,227.298 cw(c72.087,227.298) 72.087,227.5 72.7,227.5 72.9,227.5 73.325,227.075 73.325,224.85 72.925,224.45 72.925,224.28 72.75,224.105 CO303.22@72.75,223.83
USBF2_TX_N: C321.1 IC801.37 | length 128.2
  Top Layer w0.15: C321.1@78.55,209.2 78.812,209.462 81.137,209.462 81.171,209.429 81.271,209.429 v1(81.3,209.4) ; IC801.37@138.85,150.6 139.275,150.6 139.338,150.538 140.837,150.538 140.871,150.571 140.971,150.571 v1(141,150.6)
  Bottom Layer w0.15: v1(81.3,209.4) 81.314,209.414 81.329,209.429 81.429,209.429 81.463,209.462 81.793,209.462 cw(c81.793,209.261) 81.995,209.261 81.995,209.035 ccw(c82.197,209.035) 82.197,208.833 ccw(c82.197,209.035) 82.399,209.035 82.399,209.261 cw(c82.601,209.261) 82.601,209.462 82.893,209.462 92.711,209.462 95.2,206.974 95.2,168.411 96.611,167 142.9,167 145,164.9 145,152.2 143.338,150.538 141.163,150.538 141.129,150.571 141.029,150.571 v1(141,150.6)
USBF2_TX_P: C367.1 IC801.36 | length 128.2
  Top Layer w0.15: C367.1@78.55,210 78.812,209.738 81.137,209.738 81.171,209.771 81.271,209.771 v1(81.3,209.8) ; IC801.36@138.85,150.2 139.275,150.2 139.338,150.263 140.837,150.263 140.871,150.229 140.971,150.229 v1(141,150.2)
  Bottom Layer w0.15: v1(81.3,209.8) 81.329,209.771 81.429,209.771 81.463,209.738 81.8,209.738 84.7,209.738 92.825,209.738 95.475,207.087 95.475,168.525 96.725,167.275 143.014,167.275 145.275,165.014 145.275,152.086 143.451,150.263 141.163,150.263 141.129,150.229 141.029,150.229 v1(141,150.2)
USBF2_XRX_N: C371.2 D357.2 D357.9 IC353.17 | length 129.2
  Top Layer w0.15: IC353.17@75.4,214.45 75.4,214.4 75.463,214.337 75.463,213.723 75.613,213.573 75.613,213.225 75.5,213.113 75.5,212.838 75.613,212.725 75.613,212.275 75.5,212.163 D357.9@75.5,212.025 75.5,211.887 75.612,211.775 75.612,211.399 76.149,210.862 84.4,210.862 84.717,210.862 cw(c84.717,210.661) 84.919,210.661 84.919,210.433 ccw(c85.121,210.433) 85.121,210.231 ccw(c85.121,210.433) 85.323,210.433 85.323,210.661 cw(c85.525,210.661) 85.525,210.862 85.6,210.862 91.649,210.862 93.3,209.211 93.3,171.5 97.3,167.5 134.211,167.5 137.686,164.025 144.175,164.025 145.3,162.9 145.3,152.5 144.537,151.737 143.312,151.737 C371.2@143.05,152
USBF2_XRX_P: C375.2 D357.1 D357.10 IC353.18 | length 129.2
  Top Layer w0.15: IC353.18@75.8,214.45 75.8,214.4 75.738,214.338 75.738,213.837 75.888,213.687 75.888,213.225 76,213.113 D357.1@76,212.975 76,212.838 75.888,212.725 75.888,212.275 76,212.163 D357.10@76,212.025 76,211.887 75.887,211.775 75.887,211.513 76.262,211.137 84.389,211.137 84.706,211.137 ccw(c84.706,211.339) 84.908,211.339 cw(c85.11,211.34) 85.11,211.542 cw(c85.11,211.34) 85.312,211.34 ccw(c85.514,211.339) 85.514,211.137 85.993,211.137 91.762,211.137 93.575,209.325 93.575,171.614 97.414,167.775 134.325,167.775 137.8,164.3 144.289,164.3 145.575,163.014 145.575,152.386 144.651,151.462 143.312,151.462 C375.2@143.05,151.2
USBF2_XTX1_N: C369.1 IC353.7 | length 2.8
  Top Layer w0.15: IC353.7@75,216.55 75,216.6 75.062,216.662 75.062,217.201 75.386,217.525 75.912,217.525 76.112,217.725 76.112,218.137 76.025,218.225 75.975,218.225 C369.1@75.75,218.45
USBF2_XTX1_P: C323.1 IC353.6 | length 2.8
  Top Layer w0.15: IC353.6@75.4,216.55 75.4,216.6 75.337,216.662 75.337,217.087 75.5,217.25 76.026,217.25 76.387,217.611 76.387,218.137 76.475,218.225 76.525,218.225 C323.1@76.75,218.45
USBF2_XTX2_N: C373.1 IC353.12 | length 13.8
  Top Layer w0.15: C373.1@69.7,225.05 69.962,224.787 69.962,216.537 71.138,215.362 71.7,215.362 72.179,215.362 cw(c72.179,215.16) 72.381,215.16 ccw(c72.583,215.16) 72.583,214.958 ccw(c72.583,215.16) 72.785,215.16 cw(c72.987,215.16) 72.987,215.362 73.5,215.362 74.037,215.362 74.1,215.3 IC353.12@74.15,215.3
USBF2_XTX2_P: C377.1 IC353.11 | length 13.8
  Top Layer w0.15: C377.1@70.5,225.05 70.237,224.787 70.237,216.651 71.251,215.637 71.9,215.637 72.213,215.637 ccw(c72.213,215.839) 72.415,215.839 72.415,216.067 cw(c72.617,216.067) 72.617,216.269 cw(c72.617,216.067) 72.819,216.067 72.819,215.839 ccw(c73.021,215.839) 73.021,215.637 73.5,215.637 74.038,215.637 74.1,215.7 IC353.11@74.15,215.7
USBF2_XTX_N: C321.2 D357.5 D357.6 IC353.14 | length 8.8
  Top Layer w0.15: IC353.14@74.2,214.45 74.2,214.4 74.262,214.338 74.262,213.837 74.112,213.687 74.112,213.225 74,213.113 D357.5@74,212.975 74,212.838 74.112,212.725 74.112,212.275 74,212.163 D357.6@74,212.025 74,211.887 74.112,211.775 74.112,211.6 74.112,211.283 cw(c73.91,211.283) 73.91,211.081 ccw(c73.91,210.879) 73.708,210.879 ccw(c73.91,210.879) 73.91,210.677 cw(c73.91,210.475) 74.112,210.475 74.112,210.4 74.112,210.099 74.749,209.462 77.188,209.462 C321.2@77.45,209.2
USBF2_XTX_P: C367.2 D357.4 D357.7 IC353.15 | length 8.8
  Top Layer w0.15: IC353.15@74.6,214.45 74.6,214.4 74.537,214.337 74.537,213.723 74.387,213.573 74.387,213.225 74.5,213.113 D357.4@74.5,212.975 74.5,212.838 74.387,212.725 74.387,212.275 74.5,212.163 D357.7@74.5,212.025 74.5,211.887 74.387,211.775 74.387,211.6 74.387,211.286 ccw(c74.589,211.286) 74.589,211.084 74.817,211.084 cw(c74.817,210.882) 75.019,210.882 cw(c74.817,210.882) 74.817,210.68 74.589,210.68 ccw(c74.589,210.478) 74.387,210.478 74.387,210.213 74.5,210.1 74.863,209.738 77.188,209.738 C367.2@77.45,210
USBF3_5V: C365.1 C366.1 CO304.4 CO304.9 CO304.24 CO304.29 IC305.20 IC305.21 IC305.22 | length 10.1
  Top Layer w0.2: IC305.22@58.9,199.8 61.45,199.8 C366.1@62.7,198.55
  Top Layer w0.3: CO304.9@73.75,204.17 v2(73.75,205) ; CO304.24@73.75,205.83 v2(73.75,205) ; CO304.4@76.25,204.17 v2(76.25,205) ; CO304.29@76.25,205.83 v2(76.25,205) ; v2(73.75,205) v2(76.25,205)
  other v2: 66.8,200.5 67.3,200.5 67.8,200.5
USBF3_CC1: CO304.5 IC305.28 | length 19.4
  Top Layer w0.1: IC305.28@57.6,201.9 57.6,202.6 57.875,202.875 v1(68.7,202.875)
  Layer 3 w0.1: v1(68.7,202.875) 69.725,203.9 v1(75.75,203.9)
USBF3_CC2: CO304.25 IC305.29 | length 28.6
  Top Layer w0.1: IC305.29@57.2,201.9 57.2,202.9 57.625,203.325 67.475,203.325 67.9,203.75 67.9,209.4 69.3,210.8 72.55,210.8 74.15,209.2 74.15,205.93 CO304.25@74.25,205.83
USBF3_DRAIN: IC305.15 IC305.30 IC305.40 | length 2.8
  Top Layer w0.15: IC305.15@56.8,198.1 56.8,198.645 57.08,198.925 v5(57.56,198.925) ; IC305.30@56.8,201.9 56.8,201.355 57.08,201.075 v5(57.56,201.075)
  other v5: 57.56,200
USBF3_LDO_1V5: C358.1 IC305.4 | length 1.8
  Top Layer w0.2: C358.1@51.3,199.7 51.4,199.8 IC305.4@53.1,199.8
USBF3_LDO_3V3: C357.1 IC305.1 R404.1 | length 12.1
  Top Layer w0.2: IC305.1@53.1,201 51.1,201 C357.1@51,201.1 50.875,201.1 50.475,200.7 50.475,195.95 50.975,195.45 R404.1@54.8,195.45
USBF3_N: CO304.7 CO304.27 D356.1 IC801.6 | length 127.2
  Top Layer w0.15: v1(75.2,208.8) 75.2,208.759 75.275,208.684 75.275,208.5 D356.1@75.35,208.425 75.35,207.313 75.138,207.1 75.138,206.392 75.137,206.217 75.25,206.105 CO304.27@75.25,205.83 ; v1(130.2,144) 130.171,144.029 130.171,144.129 130.138,144.163 130.138,144.662 130.2,144.725 IC801.6@130.2,145.15
  Layer 6 w0.1: v1(74.75,204.45) 74.75,204.75 75.25,205.25 v1(75.25,205.55)
  Bottom Layer w0.15: v1(75.2,208.8) 75.171,208.829 75.171,208.929 75.138,208.963 75.138,209.324 75.551,209.738 78.313,209.738 81.625,206.425 93.075,206.425 93.925,205.575 93.925,168.486 96.386,166.025 108.586,166.025 111.525,163.086 111.525,141.486 112.386,140.625 129.189,140.625 130.138,141.574 130.138,142.949 130.138,143.837 130.171,143.871 130.171,143.971 v1(130.2,144)
USBF3_P: CO304.6 CO304.26 D356.2 IC801.5 | length 128.9
  Top Layer w0.15: CO304.26@74.75,205.83 74.75,206.105 74.862,206.217 74.862,206.506 74.862,207.1 74.65,207.313 D356.2@74.65,208.425 74.725,208.5 74.725,208.684 74.8,208.759 v1(74.8,208.8) ; v1(129.8,144) 129.829,144.029 129.829,144.129 129.863,144.163 129.863,144.662 129.8,144.725 IC801.5@129.8,145.15
  Layer 3 w0.1: v1(74.75,205.55) 74.75,205.25 75.25,204.75 v1(75.25,204.45)
  Bottom Layer w0.15: v1(74.8,208.8) 74.829,208.829 74.829,208.929 74.862,208.963 74.862,209.438 75.438,210.013 75.6,210.013 75.675,210.013 ccw(c75.675,210.215) 75.877,210.215 75.877,210.52 cw(c76.079,210.52) 76.079,210.722 cw(c76.079,210.52) 76.281,210.52 76.281,210.215 ccw(c76.483,210.215) 76.483,210.013 ccw(c76.483,210.215) 76.685,210.215 76.685,210.284 cw(c76.887,210.284) 76.887,210.486 cw(c76.887,210.284) 77.089,210.284 77.089,210.215 ccw(c77.291,210.215) 77.291,210.013 78.3,210.013 78.426,210.013 81.739,206.7 93.189,206.7 94.2,205.689 94.2,168.6 96.5,166.3 108.7,166.3 111.8,163.2 111.8,141.6 112.5,140.9 129.075,140.9 129.863,141.688 129.863,143.837 129.829,143.871 129.829,143.971 v1(129.8,144)
USBF3_RX1_N: CO304.30 IC354.2 | length 19.5
  Top Layer w0.15: IC354.2@75.85,197.3 75.9,197.3 75.962,197.363 78.751,197.363 80.025,198.636 80.025,207.364 79.239,208.15 76.986,208.15 76.4,207.564 76.4,206.736 76.753,206.383 76.753,205.833 CO304.30@76.75,205.83
USBF3_RX1_P: CO304.31 IC354.3 | length 19.6
  Top Layer w0.15: IC354.3@75.85,197.7 75.9,197.7 75.962,197.638 78.637,197.638 79.75,198.75 79.75,199.5 79.75,199.575 ccw(c79.548,199.575) 79.548,199.777 79.123,199.777 cw(c79.123,199.979) 78.921,199.979 cw(c79.123,199.979) 79.123,200.181 79.548,200.181 ccw(c79.548,200.383) 79.75,200.383 79.75,200.7 79.75,207.25 79.125,207.875 77.1,207.875 76.675,207.45 76.675,206.85 77.075,206.45 77.075,206.28 77.25,206.105 CO304.31@77.25,205.83
USBF3_RX2_N: CO304.10 IC354.8 | length 6.7
  Top Layer w0.15: CO304.10@73.25,204.17 73.247,204.167 73.247,203.617 73.6,203.264 73.6,202.511 73.6,202.187 ccw(c73.802,202.187) 73.802,201.985 73.83,201.985 cw(c73.83,201.783) 74.032,201.783 cw(c73.83,201.783) 73.83,201.581 73.802,201.581 ccw(c73.802,201.379) 73.6,201.379 73.6,200.9 74.538,199.963 74.538,198.662 74.6,198.6 IC354.8@74.6,198.55
USBF3_RX2_P: CO304.11 IC354.9 | length 6.7
  Top Layer w0.15: CO304.11@72.75,204.17 72.75,203.895 72.925,203.72 72.925,203.55 73.325,203.15 73.325,202.508 73.325,202.183 cw(c73.123,202.183) 73.123,201.981 ccw(c73.123,201.779) 72.921,201.779 ccw(c73.123,201.779) 73.123,201.577 cw(c73.123,201.375) 73.325,201.375 73.325,201.3 73.325,200.786 74.263,199.849 74.263,198.663 74.2,198.6 IC354.9@74.2,198.55
USBF3_RX_N: C372.1 IC801.11 | length 3.2
  Top Layer w0.15: IC801.11@132.2,145.15 132.2,144.725 132.138,144.662 132.138,142.312 C372.1@132.4,142.05
USBF3_RX_P: C376.1 IC801.10 | length 3.2
  Top Layer w0.15: C376.1@131.6,142.05 131.862,142.312 131.862,144.662 131.8,144.725 IC801.10@131.8,145.15
USBF3_SEL: IC305.5 IC354.16 | length 25.9
  Top Layer w0.127: v1(75,195.75) IC354.16@75,196.45
  Top Layer w0.2: v1(52.225,199.4) IC305.5@53.1,199.4
  Layer 6 w0.2: v1(52.225,199.4) 53.195,198.43 72.32,198.43 v1(75,195.75)
USBF3_TX1_N: C370.2 CO304.3 | length 3.1
  Top Layer w0.15: C370.2@75.75,201.55 75.975,201.775 76.025,201.775 76.112,201.863 76.112,202.253 76.4,202.54 76.4,203.264 76.753,203.617 76.753,204.167 CO304.3@76.75,204.17
USBF3_TX1_P: C324.2 CO304.2 | length 3.2
  Top Layer w0.15: C324.2@76.75,201.55 76.525,201.775 76.475,201.775 76.387,201.863 76.387,202.139 76.675,202.426 76.675,203.15 77.075,203.55 77.075,203.72 77.25,203.895 CO304.2@77.25,204.17
USBF3_TX2_N: C374.2 CO304.23 | length 8.8
  Top Layer w0.15: C374.2@69.7,208.15 69.963,208.412 69.963,209.251 70.486,209.775 73.014,209.775 73.6,209.189 73.6,206.736 73.247,206.383 73.247,205.833 CO304.23@73.25,205.83
USBF3_TX2_P: C378.2 CO304.22 | length 8.8
  Top Layer w0.15: C378.2@70.5,208.15 70.238,208.412 70.238,209.138 70.6,209.5 70.8,209.5 71.279,209.5 cw(c71.279,209.298) 71.481,209.298 71.481,209.101 ccw(c71.683,209.101) 71.683,208.899 ccw(c71.683,209.101) 71.885,209.101 71.885,209.298 cw(c72.087,209.298) 72.087,209.5 72.7,209.5 72.9,209.5 73.325,209.075 73.325,206.85 72.925,206.45 72.925,206.28 72.75,206.105 CO304.22@72.75,205.83